# Altium PCB 霍尔小板拼版.PcbDoc (part 3 of 3)
Units mm, origin at the board's own origin, x right, y up, seen from the top; angles counter-clockwise.
Board outline 100.88 x 92.97 mm, 2 copper layers (Top Layer, Bottom Layer); 204 components, 39 nets, 616 pads, 200 vias.
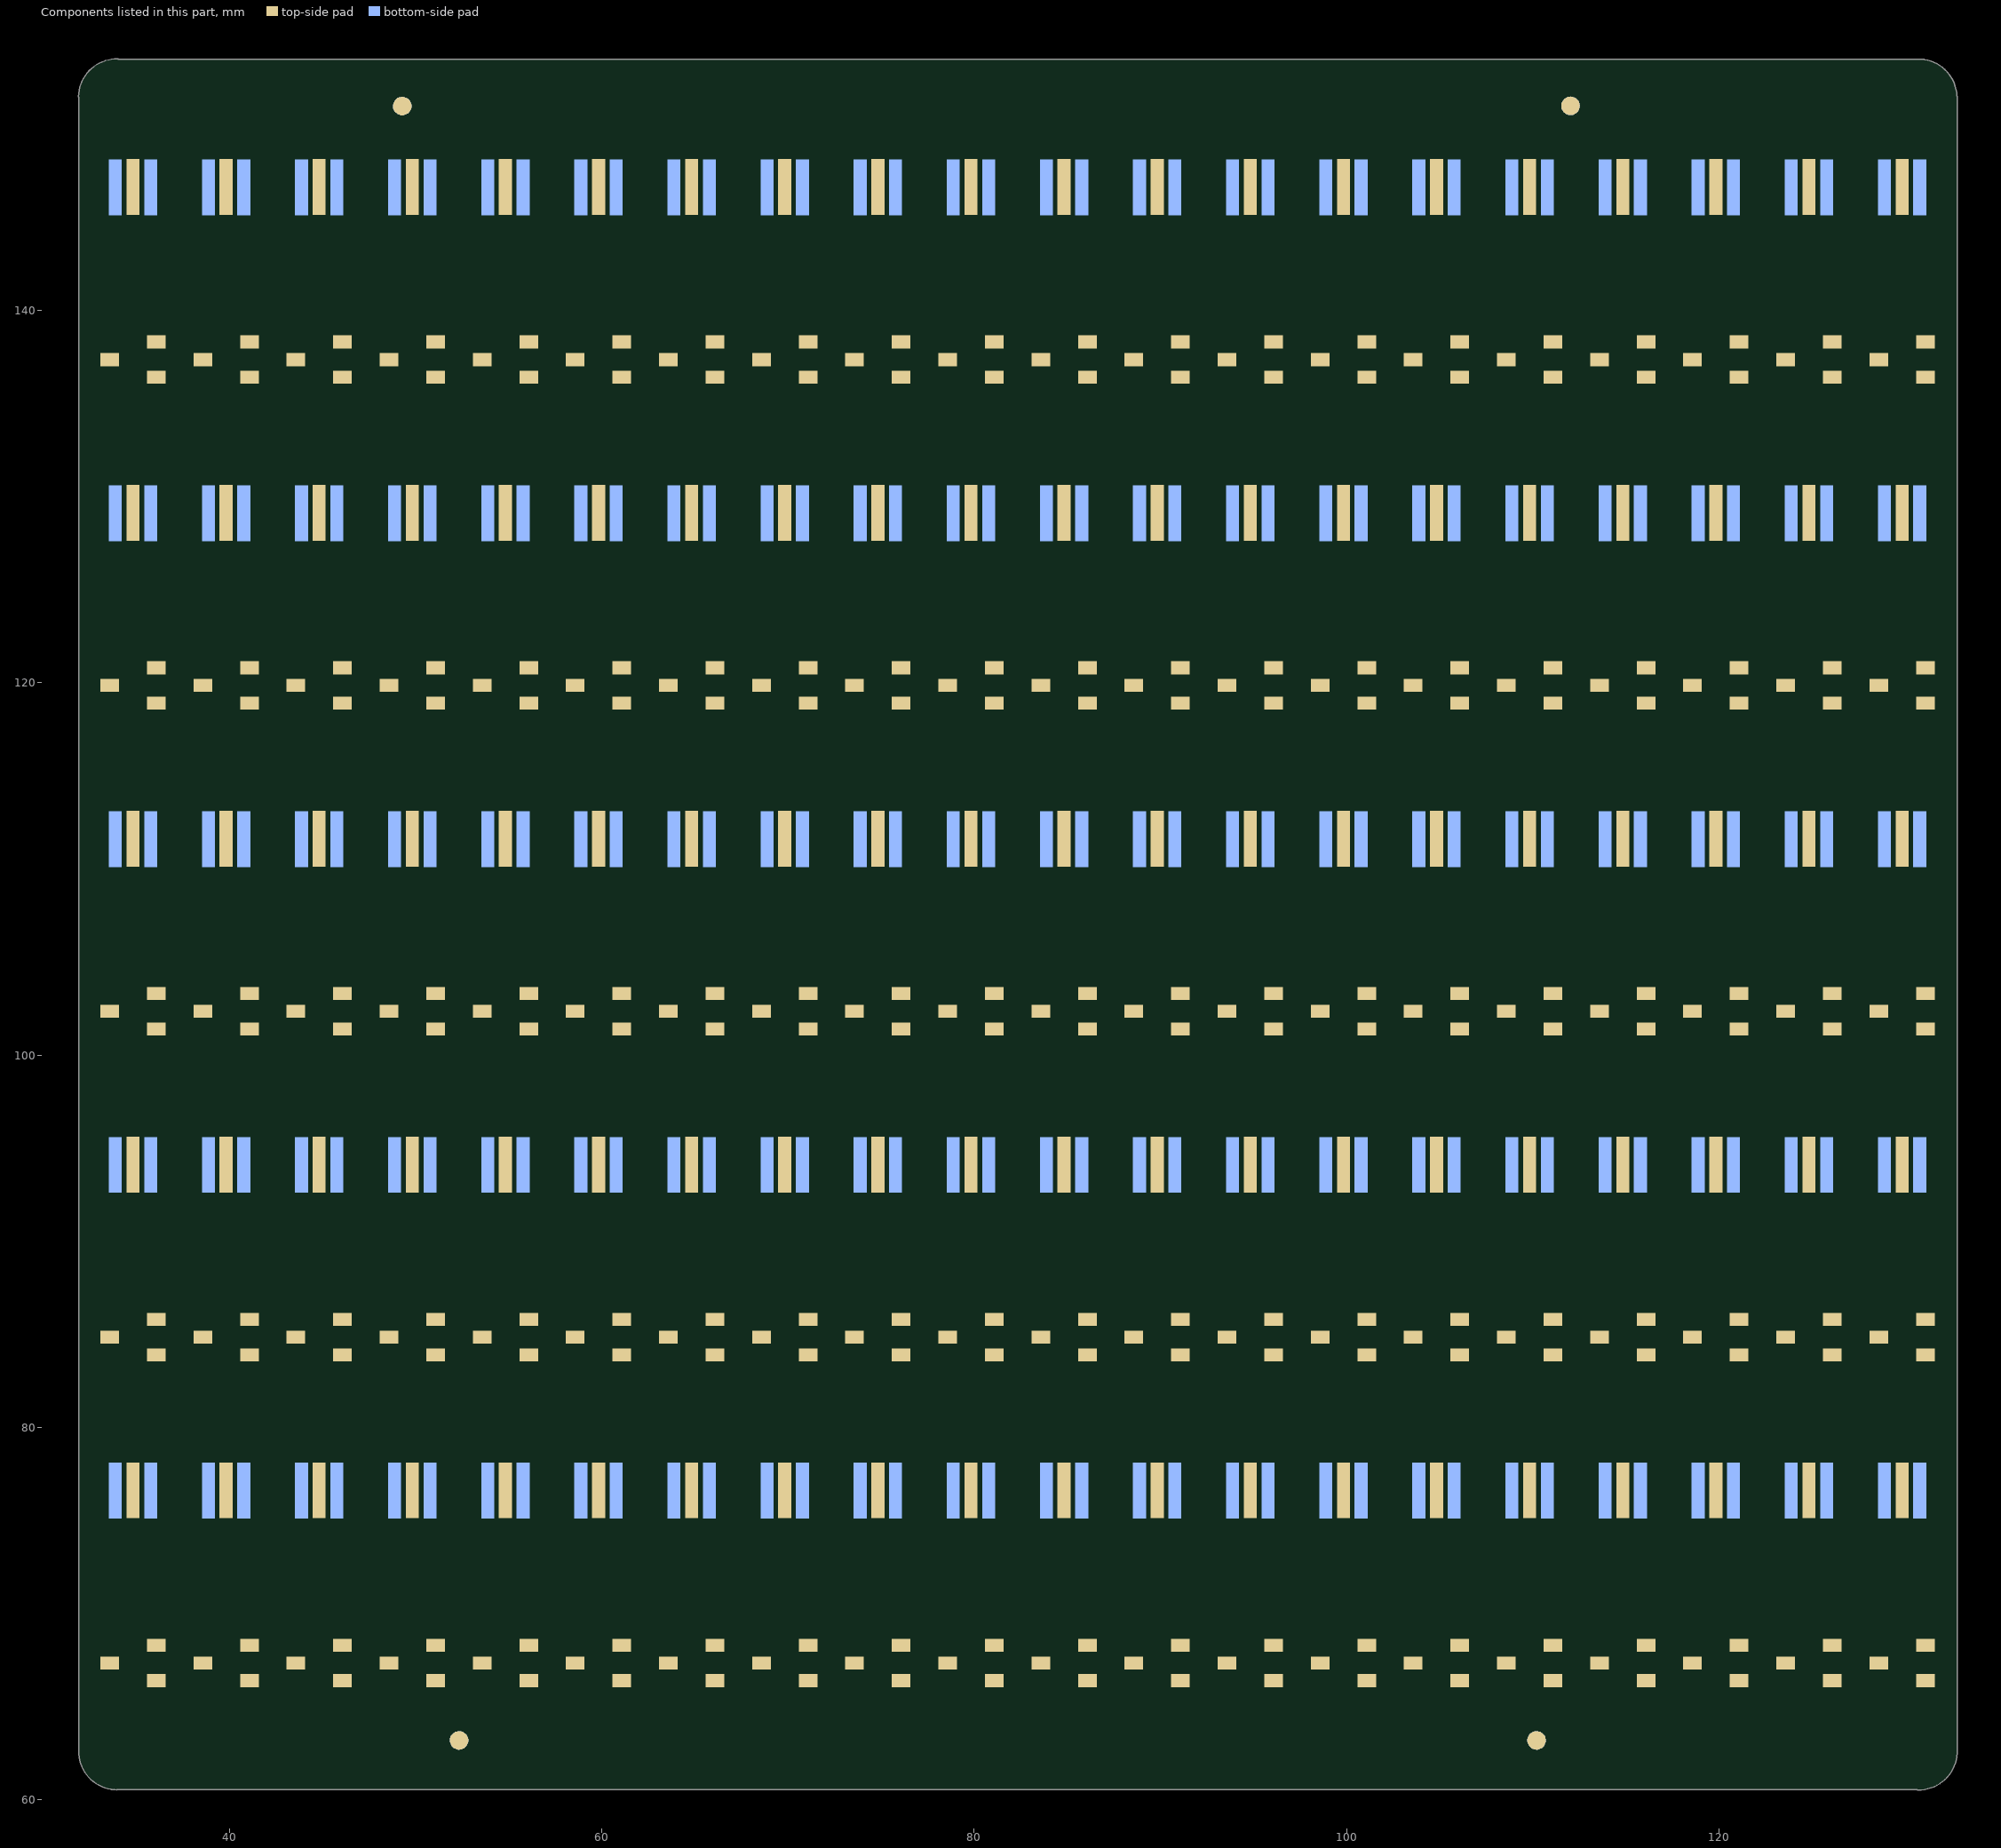
[diagram p3: the components of this part, seen from the top]

## Keep-outs
Keep-Out Layer:
  lines w0.127: 32.896,74.259 32.896,65.7 36.782,65.7 36.782,74.259 36.299,74.259 36.299,78.146 33.353,78.146 ; 32.896,91.759 32.896,83.2 36.782,83.2 36.782,91.759 36.299,91.759 36.299,95.646 33.353,95.646 ; 32.896,109.259 32.896,100.7 36.782,100.7 36.782,109.259 36.299,109.259 36.299,113.146 33.353,113.146 ; 32.896,126.759 32.896,118.2 36.782,118.2 36.782,126.759 36.299,126.759 36.299,130.646 33.353,130.646 ; 32.896,144.259 32.896,135.7 36.782,135.7 36.782,144.259 36.299,144.259 36.299,148.146 33.353,148.146 ; 32.946,74.259 33.353,74.259 33.353,78.12 ; 32.946,91.759 33.353,91.759 33.353,95.62 ; 32.946,109.259 33.353,109.259 33.353,113.12 ; 32.946,126.759 33.353,126.759 33.353,130.62 ; 32.946,144.259 33.353,144.259 33.353,148.12 ; 37.896,74.259 37.896,65.7 41.782,65.7 41.782,74.259 41.299,74.259 41.299,78.146 38.353,78.146 ; 37.896,91.759 37.896,83.2 41.782,83.2 41.782,91.759 41.299,91.759 41.299,95.646 38.353,95.646 ; 37.896,109.259 37.896,100.7 41.782,100.7 41.782,109.259 41.299,109.259 41.299,113.146 38.353,113.146 ; 37.896,126.759 37.896,118.2 41.782,118.2 41.782,126.759 41.299,126.759 41.299,130.646 38.353,130.646 ; 37.896,144.259 37.896,135.7 41.782,135.7 41.782,144.259 41.299,144.259 41.299,148.146 38.353,148.146 ; 37.946,74.259 38.353,74.259 38.353,78.12 ; 37.946,91.759 38.353,91.759 38.353,95.62 ; 37.946,109.259 38.353,109.259 38.353,113.12 ; 37.946,126.759 38.353,126.759 38.353,130.62 ; 37.946,144.259 38.353,144.259 38.353,148.12 ; 42.896,74.259 42.896,65.7 46.782,65.7 46.782,74.259 46.299,74.259 46.299,78.146 43.353,78.146 ; 42.896,91.759 42.896,83.2 46.782,83.2 46.782,91.759 46.299,91.759 46.299,95.646 43.353,95.646 ; 42.896,109.259 42.896,100.7 46.782,100.7 46.782,109.259 46.299,109.259 46.299,113.146 43.353,113.146 ; 42.896,126.759 42.896,118.2 46.782,118.2 46.782,126.759 46.299,126.759 46.299,130.646 43.353,130.646 ; 42.896,144.259 42.896,135.7 46.782,135.7 46.782,144.259 46.299,144.259 46.299,148.146 43.353,148.146 ; 42.946,74.259 43.353,74.259 43.353,78.12 ; 42.946,91.759 43.353,91.759 43.353,95.62 ; 42.946,109.259 43.353,109.259 43.353,113.12 ; 42.946,126.759 43.353,126.759 43.353,130.62 ; 42.946,144.259 43.353,144.259 43.353,148.12 ; 47.896,74.259 47.896,65.7 51.782,65.7 51.782,74.259 51.299,74.259 51.299,78.146 48.353,78.146 ; 47.896,91.759 47.896,83.2 51.782,83.2 51.782,91.759 51.299,91.759 51.299,95.646 48.353,95.646 ; 47.896,109.259 47.896,100.7 51.782,100.7 51.782,109.259 51.299,109.259 51.299,113.146 48.353,113.146 ; 47.896,126.759 47.896,118.2 51.782,118.2 51.782,126.759 51.299,126.759 51.299,130.646 48.353,130.646 ; 47.896,144.259 47.896,135.7 51.782,135.7 51.782,144.259 51.299,144.259 51.299,148.146 48.353,148.146 ; 47.946,74.259 48.353,74.259 48.353,78.12 ; 47.946,91.759 48.353,91.759 48.353,95.62 ; 47.946,109.259 48.353,109.259 48.353,113.12 ; 47.946,126.759 48.353,126.759 48.353,130.62 ; 47.946,144.259 48.353,144.259 48.353,148.12 ; 52.896,74.259 52.896,65.7 56.782,65.7 56.782,74.259 56.299,74.259 56.299,78.146 53.353,78.146 ; 52.896,91.759 52.896,83.2 56.782,83.2 56.782,91.759 56.299,91.759 56.299,95.646 53.353,95.646 ; 52.896,109.259 52.896,100.7 56.782,100.7 56.782,109.259 56.299,109.259 56.299,113.146 53.353,113.146 ; 52.896,126.759 52.896,118.2 56.782,118.2 56.782,126.759 56.299,126.759 56.299,130.646 53.353,130.646 ; 52.896,144.259 52.896,135.7 56.782,135.7 56.782,144.259 56.299,144.259 56.299,148.146 53.353,148.146 ; 52.946,74.259 53.353,74.259 53.353,78.12 ; 52.946,91.759 53.353,91.759 53.353,95.62 ; 52.946,109.259 53.353,109.259 53.353,113.12 ; 52.946,126.759 53.353,126.759 53.353,130.62 ; 52.946,144.259 53.353,144.259 53.353,148.12 ; 57.896,74.259 57.896,65.7 61.782,65.7 61.782,74.259 61.299,74.259 61.299,78.146 58.353,78.146 ; 57.896,91.759 57.896,83.2 61.782,83.2 61.782,91.759 61.299,91.759 61.299,95.646 58.353,95.646 ; 57.896,109.259 57.896,100.7 61.782,100.7 61.782,109.259 61.299,109.259 61.299,113.146 58.353,113.146 ; 57.896,126.759 57.896,118.2 61.782,118.2 61.782,126.759 61.299,126.759 61.299,130.646 58.353,130.646 ; 57.896,144.259 57.896,135.7 61.782,135.7 61.782,144.259 61.299,144.259 61.299,148.146 58.353,148.146 ; 57.946,74.259 58.353,74.259 58.353,78.12 ; 57.946,91.759 58.353,91.759 58.353,95.62 ; 57.946,109.259 58.353,109.259 58.353,113.12 ; 57.946,126.759 58.353,126.759 58.353,130.62 ; 57.946,144.259 58.353,144.259 58.353,148.12 ; 62.896,74.259 62.896,65.7 66.782,65.7 66.782,74.259 66.299,74.259 66.299,78.146 63.353,78.146 ; 62.896,91.759 62.896,83.2 66.782,83.2 66.782,91.759 66.299,91.759 66.299,95.646 63.353,95.646 ; 62.896,109.259 62.896,100.7 66.782,100.7 66.782,109.259 66.299,109.259 66.299,113.146 63.353,113.146 ; 62.896,126.759 62.896,118.2 66.782,118.2 66.782,126.759 66.299,126.759 66.299,130.646 63.353,130.646 ; 62.896,144.259 62.896,135.7 66.782,135.7 66.782,144.259 66.299,144.259 66.299,148.146 63.353,148.146 ; 62.946,74.259 63.353,74.259 63.353,78.12 ; 62.946,91.759 63.353,91.759 63.353,95.62 ; 62.946,109.259 63.353,109.259 63.353,113.12 ; 62.946,126.759 63.353,126.759 63.353,130.62 ; 62.946,144.259 63.353,144.259 63.353,148.12 ; 67.896,74.259 67.896,65.7 71.782,65.7 71.782,74.259 71.299,74.259 71.299,78.146 68.353,78.146 ; 67.896,91.759 67.896,83.2 71.782,83.2 71.782,91.759 71.299,91.759 71.299,95.646 68.353,95.646 ; 67.896,109.259 67.896,100.7 71.782,100.7 71.782,109.259 71.299,109.259 71.299,113.146 68.353,113.146 ; 67.896,126.759 67.896,118.2 71.782,118.2 71.782,126.759 71.299,126.759 71.299,130.646 68.353,130.646 ; 67.896,144.259 67.896,135.7 71.782,135.7 71.782,144.259 71.299,144.259 71.299,148.146 68.353,148.146 ; 67.946,74.259 68.353,74.259 68.353,78.12 ; 67.946,91.759 68.353,91.759 68.353,95.62 ; 67.946,109.259 68.353,109.259 68.353,113.12 ; 67.946,126.759 68.353,126.759 68.353,130.62 ; 67.946,144.259 68.353,144.259 68.353,148.12 ; 72.896,74.259 72.896,65.7 76.782,65.7 76.782,74.259 76.299,74.259 76.299,78.146 73.353,78.146 ; 72.896,91.759 72.896,83.2 76.782,83.2 76.782,91.759 76.299,91.759 76.299,95.646 73.353,95.646 ; 72.896,109.259 72.896,100.7 76.782,100.7 76.782,109.259 76.299,109.259 76.299,113.146 73.353,113.146 ; 72.896,126.759 72.896,118.2 76.782,118.2 76.782,126.759 76.299,126.759 76.299,130.646 73.353,130.646 ; 72.896,144.259 72.896,135.7 76.782,135.7 76.782,144.259 76.299,144.259 76.299,148.146 73.353,148.146 ; 72.946,74.259 73.353,74.259 73.353,78.12 ; 72.946,91.759 73.353,91.759 73.353,95.62 ; 72.946,109.259 73.353,109.259 73.353,113.12 ; 72.946,126.759 73.353,126.759 73.353,130.62 ; 72.946,144.259 73.353,144.259 73.353,148.12 ; 77.896,74.259 77.896,65.7 81.782,65.7 81.782,74.259 81.299,74.259 81.299,78.146 78.353,78.146 ; 77.896,91.759 77.896,83.2 81.782,83.2 81.782,91.759 81.299,91.759 81.299,95.646 78.353,95.646 ; 77.896,109.259 77.896,100.7 81.782,100.7 81.782,109.259 81.299,109.259 81.299,113.146 78.353,113.146 ; 77.896,126.759 77.896,118.2 81.782,118.2 81.782,126.759 81.299,126.759 81.299,130.646 78.353,130.646 ; 77.896,144.259 77.896,135.7 81.782,135.7 81.782,144.259 81.299,144.259 81.299,148.146 78.353,148.146 ; 77.946,74.259 78.353,74.259 78.353,78.12 ; 77.946,91.759 78.353,91.759 78.353,95.62 ; 77.946,109.259 78.353,109.259 78.353,113.12 ; 77.946,126.759 78.353,126.759 78.353,130.62 ; 77.946,144.259 78.353,144.259 78.353,148.12 ; 82.896,74.259 82.896,65.7 86.782,65.7 86.782,74.259 86.299,74.259 86.299,78.146 83.353,78.146 ; 82.896,91.759 82.896,83.2 86.782,83.2 86.782,91.759 86.299,91.759 86.299,95.646 83.353,95.646 ; 82.896,109.259 82.896,100.7 86.782,100.7 86.782,109.259 86.299,109.259 86.299,113.146 83.353,113.146 ; 82.896,126.759 82.896,118.2 86.782,118.2 86.782,126.759 86.299,126.759 86.299,130.646 83.353,130.646 ; 82.896,144.259 82.896,135.7 86.782,135.7 86.782,144.259 86.299,144.259 86.299,148.146 83.353,148.146 ; 82.946,74.259 83.353,74.259 83.353,78.12 ; 82.946,91.759 83.353,91.759 83.353,95.62 ; 82.946,109.259 83.353,109.259 83.353,113.12 ; 82.946,126.759 83.353,126.759 83.353,130.62 ; 82.946,144.259 83.353,144.259 83.353,148.12 ; 87.896,74.259 87.896,65.7 91.782,65.7 91.782,74.259 91.299,74.259 91.299,78.146 88.353,78.146 ; 87.896,91.759 87.896,83.2 91.782,83.2 91.782,91.759 91.299,91.759 91.299,95.646 88.353,95.646 ; 87.896,109.259 87.896,100.7 91.782,100.7 91.782,109.259 91.299,109.259 91.299,113.146 88.353,113.146 ; 87.896,126.759 87.896,118.2 91.782,118.2 91.782,126.759 91.299,126.759 91.299,130.646 88.353,130.646 ; 87.896,144.259 87.896,135.7 91.782,135.7 91.782,144.259 91.299,144.259 91.299,148.146 88.353,148.146 ; 87.946,74.259 88.353,74.259 88.353,78.12 ; 87.946,91.759 88.353,91.759 88.353,95.62 ; 87.946,109.259 88.353,109.259 88.353,113.12 ; 87.946,126.759 88.353,126.759 88.353,130.62 ; 87.946,144.259 88.353,144.259 88.353,148.12 ; 92.896,74.259 92.896,65.7 96.782,65.7 96.782,74.259 96.299,74.259 96.299,78.146 93.353,78.146 ; 92.896,91.759 92.896,83.2 96.782,83.2 96.782,91.759 96.299,91.759 96.299,95.646 93.353,95.646 ; 92.896,109.259 92.896,100.7 96.782,100.7 96.782,109.259 96.299,109.259 96.299,113.146 93.353,113.146 ; 92.896,126.759 92.896,118.2 96.782,118.2 96.782,126.759 96.299,126.759 96.299,130.646 93.353,130.646 ; 92.896,144.259 92.896,135.7 96.782,135.7 96.782,144.259 96.299,144.259 96.299,148.146 93.353,148.146 ; 92.946,74.259 93.353,74.259 93.353,78.12 ; 92.946,91.759 93.353,91.759 93.353,95.62 ; 92.946,109.259 93.353,109.259 93.353,113.12 ; 92.946,126.759 93.353,126.759 93.353,130.62 ; 92.946,144.259 93.353,144.259 93.353,148.12 ; 97.896,74.259 97.896,65.7 101.782,65.7 101.782,74.259 101.299,74.259 101.299,78.146 98.353,78.146 ; 97.896,91.759 97.896,83.2 101.782,83.2 101.782,91.759 101.299,91.759 101.299,95.646 98.353,95.646 ; 97.896,109.259 97.896,100.7 101.782,100.7 101.782,109.259 101.299,109.259 101.299,113.146 98.353,113.146 ; 97.896,126.759 97.896,118.2 101.782,118.2 101.782,126.759 101.299,126.759 101.299,130.646 98.353,130.646 ; 97.896,144.259 97.896,135.7 101.782,135.7 101.782,144.259 101.299,144.259 101.299,148.146 98.353,148.146 ; 97.946,74.259 98.353,74.259 98.353,78.12 ; 97.946,91.759 98.353,91.759 98.353,95.62 ; 97.946,109.259 98.353,109.259 98.353,113.12 ; 97.946,126.759 98.353,126.759 98.353,130.62 ; 97.946,144.259 98.353,144.259 98.353,148.12 ; 102.896,74.259 102.896,65.7 106.782,65.7 106.782,74.259 106.299,74.259 106.299,78.146 103.353,78.146 ; 102.896,91.759 102.896,83.2 106.782,83.2 106.782,91.759 106.299,91.759 106.299,95.646 103.353,95.646 ; 102.896,109.259 102.896,100.7 106.782,100.7 106.782,109.259 106.299,109.259 106.299,113.146 103.353,113.146 ; 102.896,126.759 102.896,118.2 106.782,118.2 106.782,126.759 106.299,126.759 106.299,130.646 103.353,130.646 ; 102.896,144.259 102.896,135.7 106.782,135.7 106.782,144.259 106.299,144.259 106.299,148.146 103.353,148.146 ; 102.946,74.259 103.353,74.259 103.353,78.12 ; 102.946,91.759 103.353,91.759 103.353,95.62 ; 102.946,109.259 103.353,109.259 103.353,113.12 ; 102.946,126.759 103.353,126.759 103.353,130.62 ; 102.946,144.259 103.353,144.259 103.353,148.12 ; 107.896,74.259 107.896,65.7 111.782,65.7 111.782,74.259 111.299,74.259 111.299,78.146 108.353,78.146 ; 107.896,91.759 107.896,83.2 111.782,83.2 111.782,91.759 111.299,91.759 111.299,95.646 108.353,95.646 ; 107.896,109.259 107.896,100.7 111.782,100.7 111.782,109.259 111.299,109.259 111.299,113.146 108.353,113.146 ; 107.896,126.759 107.896,118.2 111.782,118.2 111.782,126.759 111.299,126.759 111.299,130.646 108.353,130.646 ; 107.896,144.259 107.896,135.7 111.782,135.7 111.782,144.259 111.299,144.259 111.299,148.146 108.353,148.146 ; 107.946,74.259 108.353,74.259 108.353,78.12 ; 107.946,91.759 108.353,91.759 108.353,95.62 ; 107.946,109.259 108.353,109.259 108.353,113.12 ; 107.946,126.759 108.353,126.759 108.353,130.62 ; 107.946,144.259 108.353,144.259 108.353,148.12 ; 112.896,74.259 112.896,65.7 116.782,65.7 116.782,74.259 116.299,74.259 116.299,78.146 113.353,78.146 ; 112.896,91.759 112.896,83.2 116.782,83.2 116.782,91.759 116.299,91.759 116.299,95.646 113.353,95.646 ; 112.896,109.259 112.896,100.7 116.782,100.7 116.782,109.259 116.299,109.259 116.299,113.146 113.353,113.146 ; 112.896,126.759 112.896,118.2 116.782,118.2 116.782,126.759 116.299,126.759 116.299,130.646 113.353,130.646 ; 112.896,144.259 112.896,135.7 116.782,135.7 116.782,144.259 116.299,144.259 116.299,148.146 113.353,148.146 ; 112.946,74.259 113.353,74.259 113.353,78.12 ; 112.946,91.759 113.353,91.759 113.353,95.62 ; 112.946,109.259 113.353,109.259 113.353,113.12 ; 112.946,126.759 113.353,126.759 113.353,130.62 ; 112.946,144.259 113.353,144.259 113.353,148.12 ; 117.896,74.259 117.896,65.7 121.782,65.7 121.782,74.259 121.299,74.259 121.299,78.146 118.353,78.146 ; 117.896,91.759 117.896,83.2 121.782,83.2 121.782,91.759 121.299,91.759 121.299,95.646 118.353,95.646 ; 117.896,109.259 117.896,100.7 121.782,100.7 121.782,109.259 121.299,109.259 121.299,113.146 118.353,113.146 ; 117.896,126.759 117.896,118.2 121.782,118.2 121.782,126.759 121.299,126.759 121.299,130.646 118.353,130.646 ; 117.896,144.259 117.896,135.7 121.782,135.7 121.782,144.259 121.299,144.259 121.299,148.146 118.353,148.146 ; 117.946,74.259 118.353,74.259 118.353,78.12 ; 117.946,91.759 118.353,91.759 118.353,95.62 ; 117.946,109.259 118.353,109.259 118.353,113.12 ; 117.946,126.759 118.353,126.759 118.353,130.62 ; 117.946,144.259 118.353,144.259 118.353,148.12 ; 122.896,74.259 122.896,65.7 126.782,65.7 126.782,74.259 126.299,74.259 126.299,78.146 123.353,78.146 ; 122.896,91.759 122.896,83.2 126.782,83.2 126.782,91.759 126.299,91.759 126.299,95.646 123.353,95.646 ; 122.896,109.259 122.896,100.7 126.782,100.7 126.782,109.259 126.299,109.259 126.299,113.146 123.353,113.146 ; 122.896,126.759 122.896,118.2 126.782,118.2 126.782,126.759 126.299,126.759 126.299,130.646 123.353,130.646 ; 122.896,144.259 122.896,135.7 126.782,135.7 126.782,144.259 126.299,144.259 126.299,148.146 123.353,148.146 ; 122.946,74.259 123.353,74.259 123.353,78.12 ; 122.946,91.759 123.353,91.759 123.353,95.62 ; 122.946,109.259 123.353,109.259 123.353,113.12 ; 122.946,126.759 123.353,126.759 123.353,130.62 ; 122.946,144.259 123.353,144.259 123.353,148.12 ; 127.896,74.259 127.896,65.7 131.782,65.7 131.782,74.259 131.299,74.259 131.299,78.146 128.353,78.146 ; 127.896,91.759 127.896,83.2 131.782,83.2 131.782,91.759 131.299,91.759 131.299,95.646 128.353,95.646 ; 127.896,109.259 127.896,100.7 131.782,100.7 131.782,109.259 131.299,109.259 131.299,113.146 128.353,113.146 ; 127.896,126.759 127.896,118.2 131.782,118.2 131.782,126.759 131.299,126.759 131.299,130.646 128.353,130.646 ; 127.896,144.259 127.896,135.7 131.782,135.7 131.782,144.259 131.299,144.259 131.299,148.146 128.353,148.146 ; 127.946,74.259 128.353,74.259 128.353,78.12 ; 127.946,91.759 128.353,91.759 128.353,95.62 ; 127.946,109.259 128.353,109.259 128.353,113.12 ; 127.946,126.759 128.353,126.759 128.353,130.62 ; 127.946,144.259 128.353,144.259 128.353,148.12

## Other copper
Top Layer:
  rectangle: 32.164,131.771 132.207,134.814
  rectangle: 32.164,114.271 132.207,117.314
  rectangle: 32.164,96.771 132.207,99.814
  rectangle: 32.164,79.271 132.207,82.314
Bottom Layer:
  rectangle: 32.126,131.791 132.169,134.834
  rectangle: 32.126,114.291 132.169,117.334
  rectangle: 32.126,96.791 132.169,99.834
  rectangle: 32.126,79.291 132.169,82.334

## Silkscreen, mask and mechanical layers (free items; w line width, h text height)
Top Overlay:
  text "PS:随风飘跃Apr.18Y" at 33.531,144.818 h0.7 r270
  text "PS:随风飘跃Apr.18Y" at 38.531,144.818 h0.7 r270
  text "PS:随风飘跃Apr.18Y" at 43.531,144.818 h0.7 r270
  text "PS:随风飘跃Apr.18Y" at 48.531,144.818 h0.7 r270
  text "PS:随风飘跃Apr.18Y" at 53.531,144.818 h0.7 r270
  text "PS:随风飘跃Apr.18Y" at 58.531,144.818 h0.7 r270
  text "PS:随风飘跃Apr.18Y" at 63.531,144.818 h0.7 r270
  text "PS:随风飘跃Apr.18Y" at 68.531,144.818 h0.7 r270
  text "PS:随风飘跃Apr.18Y" at 73.531,144.818 h0.7 r270
  text "PS:随风飘跃Apr.18Y" at 78.531,144.818 h0.7 r270
  text "PS:随风飘跃Apr.18Y" at 83.531,144.818 h0.7 r270
  text "PS:随风飘跃Apr.18Y" at 88.531,144.818 h0.7 r270
  text "PS:随风飘跃Apr.18Y" at 93.531,144.818 h0.7 r270
  text "PS:随风飘跃Apr.18Y" at 98.531,144.818 h0.7 r270
  text "PS:随风飘跃Apr.18Y" at 103.531,144.818 h0.7 r270
  text "PS:随风飘跃Apr.18Y" at 108.531,144.818 h0.7 r270
  text "PS:随风飘跃Apr.18Y" at 113.531,144.818 h0.7 r270
  text "PS:随风飘跃Apr.18Y" at 118.531,144.818 h0.7 r270
  text "PS:随风飘跃Apr.18Y" at 123.531,144.818 h0.7 r270
  text "PS:随风飘跃Apr.18Y" at 128.531,144.818 h0.7 r270
  text "NB-IOT霍尔V1.1" at 35.486,144.717 h0.8 r270
  text "NB-IOT霍尔V1.1" at 40.486,144.717 h0.8 r270
  text "NB-IOT霍尔V1.1" at 45.486,144.717 h0.8 r270
  text "NB-IOT霍尔V1.1" at 50.486,144.717 h0.8 r270
  text "NB-IOT霍尔V1.1" at 55.486,144.717 h0.8 r270
  text "NB-IOT霍尔V1.1" at 60.486,144.717 h0.8 r270
  text "NB-IOT霍尔V1.1" at 65.486,144.717 h0.8 r270
  text "NB-IOT霍尔V1.1" at 70.486,144.717 h0.8 r270
  text "NB-IOT霍尔V1.1" at 75.486,144.717 h0.8 r270
  text "NB-IOT霍尔V1.1" at 80.486,144.717 h0.8 r270
  text "NB-IOT霍尔V1.1" at 85.486,144.717 h0.8 r270
  text "NB-IOT霍尔V1.1" at 90.486,144.717 h0.8 r270
  text "NB-IOT霍尔V1.1" at 95.486,144.717 h0.8 r270
  text "NB-IOT霍尔V1.1" at 100.486,144.717 h0.8 r270
  text "NB-IOT霍尔V1.1" at 105.486,144.717 h0.8 r270
  text "NB-IOT霍尔V1.1" at 110.486,144.717 h0.8 r270
  text "NB-IOT霍尔V1.1" at 115.486,144.717 h0.8 r270
  text "NB-IOT霍尔V1.1" at 120.486,144.717 h0.8 r270
  text "NB-IOT霍尔V1.1" at 125.486,144.717 h0.8 r270
  text "NB-IOT霍尔V1.1" at 130.486,144.717 h0.8 r270
  text "PS:随风飘跃Apr.18Y" at 33.531,127.318 h0.7 r270
  text "PS:随风飘跃Apr.18Y" at 38.531,127.318 h0.7 r270
  text "PS:随风飘跃Apr.18Y" at 43.531,127.318 h0.7 r270
  text "PS:随风飘跃Apr.18Y" at 48.531,127.318 h0.7 r270
  text "PS:随风飘跃Apr.18Y" at 53.531,127.318 h0.7 r270
  text "PS:随风飘跃Apr.18Y" at 58.531,127.318 h0.7 r270
  text "PS:随风飘跃Apr.18Y" at 63.531,127.318 h0.7 r270
  text "PS:随风飘跃Apr.18Y" at 68.531,127.318 h0.7 r270
  text "PS:随风飘跃Apr.18Y" at 73.531,127.318 h0.7 r270
  text "PS:随风飘跃Apr.18Y" at 78.531,127.318 h0.7 r270
  text "PS:随风飘跃Apr.18Y" at 83.531,127.318 h0.7 r270
  text "PS:随风飘跃Apr.18Y" at 88.531,127.318 h0.7 r270
  text "PS:随风飘跃Apr.18Y" at 93.531,127.318 h0.7 r270
  text "PS:随风飘跃Apr.18Y" at 98.531,127.318 h0.7 r270
  text "PS:随风飘跃Apr.18Y" at 103.531,127.318 h0.7 r270
  text "PS:随风飘跃Apr.18Y" at 108.531,127.318 h0.7 r270
  text "PS:随风飘跃Apr.18Y" at 113.531,127.318 h0.7 r270
  text "PS:随风飘跃Apr.18Y" at 118.531,127.318 h0.7 r270
  text "PS:随风飘跃Apr.18Y" at 123.531,127.318 h0.7 r270
  text "PS:随风飘跃Apr.18Y" at 128.531,127.318 h0.7 r270
  text "NB-IOT霍尔V1.1" at 35.486,127.217 h0.8 r270
  text "NB-IOT霍尔V1.1" at 40.486,127.217 h0.8 r270
  text "NB-IOT霍尔V1.1" at 45.486,127.217 h0.8 r270
  text "NB-IOT霍尔V1.1" at 50.486,127.217 h0.8 r270
  text "NB-IOT霍尔V1.1" at 55.486,127.217 h0.8 r270
  text "NB-IOT霍尔V1.1" at 60.486,127.217 h0.8 r270
  text "NB-IOT霍尔V1.1" at 65.486,127.217 h0.8 r270
  text "NB-IOT霍尔V1.1" at 70.486,127.217 h0.8 r270
  text "NB-IOT霍尔V1.1" at 75.486,127.217 h0.8 r270
  text "NB-IOT霍尔V1.1" at 80.486,127.217 h0.8 r270
  text "NB-IOT霍尔V1.1" at 85.486,127.217 h0.8 r270
  text "NB-IOT霍尔V1.1" at 90.486,127.217 h0.8 r270
  text "NB-IOT霍尔V1.1" at 95.486,127.217 h0.8 r270
  text "NB-IOT霍尔V1.1" at 100.486,127.217 h0.8 r270
  text "NB-IOT霍尔V1.1" at 105.486,127.217 h0.8 r270
  text "NB-IOT霍尔V1.1" at 110.486,127.217 h0.8 r270
  text "NB-IOT霍尔V1.1" at 115.486,127.217 h0.8 r270
  text "NB-IOT霍尔V1.1" at 120.486,127.217 h0.8 r270
  text "NB-IOT霍尔V1.1" at 125.486,127.217 h0.8 r270
  text "NB-IOT霍尔V1.1" at 130.486,127.217 h0.8 r270
  text "PS:随风飘跃Apr.18Y" at 33.531,109.818 h0.7 r270
  text "PS:随风飘跃Apr.18Y" at 38.531,109.818 h0.7 r270
  text "PS:随风飘跃Apr.18Y" at 43.531,109.818 h0.7 r270
  text "PS:随风飘跃Apr.18Y" at 48.531,109.818 h0.7 r270
  text "PS:随风飘跃Apr.18Y" at 53.531,109.818 h0.7 r270
  text "PS:随风飘跃Apr.18Y" at 58.531,109.818 h0.7 r270
  text "PS:随风飘跃Apr.18Y" at 63.531,109.818 h0.7 r270
  text "PS:随风飘跃Apr.18Y" at 68.531,109.818 h0.7 r270
  text "PS:随风飘跃Apr.18Y" at 73.531,109.818 h0.7 r270
  text "PS:随风飘跃Apr.18Y" at 78.531,109.818 h0.7 r270
  text "PS:随风飘跃Apr.18Y" at 83.531,109.818 h0.7 r270
  text "PS:随风飘跃Apr.18Y" at 88.531,109.818 h0.7 r270
  text "PS:随风飘跃Apr.18Y" at 93.531,109.818 h0.7 r270
  text "PS:随风飘跃Apr.18Y" at 98.531,109.818 h0.7 r270
  text "PS:随风飘跃Apr.18Y" at 103.531,109.818 h0.7 r270
  text "PS:随风飘跃Apr.18Y" at 108.531,109.818 h0.7 r270
  text "PS:随风飘跃Apr.18Y" at 113.531,109.818 h0.7 r270
  text "PS:随风飘跃Apr.18Y" at 118.531,109.818 h0.7 r270
  text "PS:随风飘跃Apr.18Y" at 123.531,109.818 h0.7 r270
  text "PS:随风飘跃Apr.18Y" at 128.531,109.818 h0.7 r270
  text "NB-IOT霍尔V1.1" at 35.486,109.717 h0.8 r270
  text "NB-IOT霍尔V1.1" at 40.486,109.717 h0.8 r270
  text "NB-IOT霍尔V1.1" at 45.486,109.717 h0.8 r270
  text "NB-IOT霍尔V1.1" at 50.486,109.717 h0.8 r270
  text "NB-IOT霍尔V1.1" at 55.486,109.717 h0.8 r270
  text "NB-IOT霍尔V1.1" at 60.486,109.717 h0.8 r270
  text "NB-IOT霍尔V1.1" at 65.486,109.717 h0.8 r270
  text "NB-IOT霍尔V1.1" at 70.486,109.717 h0.8 r270
  text "NB-IOT霍尔V1.1" at 75.486,109.717 h0.8 r270
  text "NB-IOT霍尔V1.1" at 80.486,109.717 h0.8 r270
  text "NB-IOT霍尔V1.1" at 85.486,109.717 h0.8 r270
  text "NB-IOT霍尔V1.1" at 90.486,109.717 h0.8 r270
  text "NB-IOT霍尔V1.1" at 95.486,109.717 h0.8 r270
  text "NB-IOT霍尔V1.1" at 100.486,109.717 h0.8 r270
  text "NB-IOT霍尔V1.1" at 105.486,109.717 h0.8 r270
  text "NB-IOT霍尔V1.1" at 110.486,109.717 h0.8 r270
  text "NB-IOT霍尔V1.1" at 115.486,109.717 h0.8 r270
  text "NB-IOT霍尔V1.1" at 120.486,109.717 h0.8 r270
  text "NB-IOT霍尔V1.1" at 125.486,109.717 h0.8 r270
  text "NB-IOT霍尔V1.1" at 130.486,109.717 h0.8 r270
  text "PS:随风飘跃Apr.18Y" at 33.531,92.318 h0.7 r270
  text "PS:随风飘跃Apr.18Y" at 38.531,92.318 h0.7 r270
  text "PS:随风飘跃Apr.18Y" at 43.531,92.318 h0.7 r270
  text "PS:随风飘跃Apr.18Y" at 48.531,92.318 h0.7 r270
  text "PS:随风飘跃Apr.18Y" at 53.531,92.318 h0.7 r270
  text "PS:随风飘跃Apr.18Y" at 58.531,92.318 h0.7 r270
  text "PS:随风飘跃Apr.18Y" at 63.531,92.318 h0.7 r270
  text "PS:随风飘跃Apr.18Y" at 68.531,92.318 h0.7 r270
  text "PS:随风飘跃Apr.18Y" at 73.531,92.318 h0.7 r270
  text "PS:随风飘跃Apr.18Y" at 78.531,92.318 h0.7 r270
  text "PS:随风飘跃Apr.18Y" at 83.531,92.318 h0.7 r270
  text "PS:随风飘跃Apr.18Y" at 88.531,92.318 h0.7 r270
  text "PS:随风飘跃Apr.18Y" at 93.531,92.318 h0.7 r270
  text "PS:随风飘跃Apr.18Y" at 98.531,92.318 h0.7 r270
  text "PS:随风飘跃Apr.18Y" at 103.531,92.318 h0.7 r270
  text "PS:随风飘跃Apr.18Y" at 108.531,92.318 h0.7 r270
  text "PS:随风飘跃Apr.18Y" at 113.531,92.318 h0.7 r270
  text "PS:随风飘跃Apr.18Y" at 118.531,92.318 h0.7 r270
  text "PS:随风飘跃Apr.18Y" at 123.531,92.318 h0.7 r270
  text "PS:随风飘跃Apr.18Y" at 128.531,92.318 h0.7 r270
  text "NB-IOT霍尔V1.1" at 35.486,92.217 h0.8 r270
  text "NB-IOT霍尔V1.1" at 40.486,92.217 h0.8 r270
  text "NB-IOT霍尔V1.1" at 45.486,92.217 h0.8 r270
  text "NB-IOT霍尔V1.1" at 50.486,92.217 h0.8 r270
  text "NB-IOT霍尔V1.1" at 55.486,92.217 h0.8 r270
  text "NB-IOT霍尔V1.1" at 60.486,92.217 h0.8 r270
  text "NB-IOT霍尔V1.1" at 65.486,92.217 h0.8 r270
  text "NB-IOT霍尔V1.1" at 70.486,92.217 h0.8 r270
  text "NB-IOT霍尔V1.1" at 75.486,92.217 h0.8 r270
  text "NB-IOT霍尔V1.1" at 80.486,92.217 h0.8 r270
  text "NB-IOT霍尔V1.1" at 85.486,92.217 h0.8 r270
  text "NB-IOT霍尔V1.1" at 90.486,92.217 h0.8 r270
  text "NB-IOT霍尔V1.1" at 95.486,92.217 h0.8 r270
  text "NB-IOT霍尔V1.1" at 100.486,92.217 h0.8 r270
  text "NB-IOT霍尔V1.1" at 105.486,92.217 h0.8 r270
  text "NB-IOT霍尔V1.1" at 110.486,92.217 h0.8 r270
  text "NB-IOT霍尔V1.1" at 115.486,92.217 h0.8 r270
  text "NB-IOT霍尔V1.1" at 120.486,92.217 h0.8 r270
  text "NB-IOT霍尔V1.1" at 125.486,92.217 h0.8 r270
  text "NB-IOT霍尔V1.1" at 130.486,92.217 h0.8 r270
  text "PS:随风飘跃Apr.18Y" at 33.531,74.818 h0.7 r270
  text "PS:随风飘跃Apr.18Y" at 38.531,74.818 h0.7 r270
  text "PS:随风飘跃Apr.18Y" at 43.531,74.818 h0.7 r270
  text "PS:随风飘跃Apr.18Y" at 48.531,74.818 h0.7 r270
  text "PS:随风飘跃Apr.18Y" at 53.531,74.818 h0.7 r270
  text "PS:随风飘跃Apr.18Y" at 58.531,74.818 h0.7 r270
  text "PS:随风飘跃Apr.18Y" at 63.531,74.818 h0.7 r270
  text "PS:随风飘跃Apr.18Y" at 68.531,74.818 h0.7 r270
  text "PS:随风飘跃Apr.18Y" at 73.531,74.818 h0.7 r270
  text "PS:随风飘跃Apr.18Y" at 78.531,74.818 h0.7 r270
  text "PS:随风飘跃Apr.18Y" at 83.531,74.818 h0.7 r270
  text "PS:随风飘跃Apr.18Y" at 88.531,74.818 h0.7 r270
  text "PS:随风飘跃Apr.18Y" at 93.531,74.818 h0.7 r270
  text "PS:随风飘跃Apr.18Y" at 98.531,74.818 h0.7 r270
  text "PS:随风飘跃Apr.18Y" at 103.531,74.818 h0.7 r270
  text "PS:随风飘跃Apr.18Y" at 108.531,74.818 h0.7 r270
  text "PS:随风飘跃Apr.18Y" at 113.531,74.818 h0.7 r270
  text "PS:随风飘跃Apr.18Y" at 118.531,74.818 h0.7 r270
  text "PS:随风飘跃Apr.18Y" at 123.531,74.818 h0.7 r270
  text "PS:随风飘跃Apr.18Y" at 128.531,74.818 h0.7 r270
  text "NB-IOT霍尔V1.1" at 35.486,74.717 h0.8 r270
  text "NB-IOT霍尔V1.1" at 40.486,74.717 h0.8 r270
  text "NB-IOT霍尔V1.1" at 45.486,74.717 h0.8 r270
  text "NB-IOT霍尔V1.1" at 50.486,74.717 h0.8 r270
  text "NB-IOT霍尔V1.1" at 55.486,74.717 h0.8 r270
  text "NB-IOT霍尔V1.1" at 60.486,74.717 h0.8 r270
  text "NB-IOT霍尔V1.1" at 65.486,74.717 h0.8 r270
  text "NB-IOT霍尔V1.1" at 70.486,74.717 h0.8 r270
  text "NB-IOT霍尔V1.1" at 75.486,74.717 h0.8 r270
  text "NB-IOT霍尔V1.1" at 80.486,74.717 h0.8 r270
  text "NB-IOT霍尔V1.1" at 85.486,74.717 h0.8 r270
  text "NB-IOT霍尔V1.1" at 90.486,74.717 h0.8 r270
  text "NB-IOT霍尔V1.1" at 95.486,74.717 h0.8 r270
  text "NB-IOT霍尔V1.1" at 100.486,74.717 h0.8 r270
  text "NB-IOT霍尔V1.1" at 105.486,74.717 h0.8 r270
  text "NB-IOT霍尔V1.1" at 110.486,74.717 h0.8 r270
  text "NB-IOT霍尔V1.1" at 115.486,74.717 h0.8 r270
  text "NB-IOT霍尔V1.1" at 120.486,74.717 h0.8 r270
  text "NB-IOT霍尔V1.1" at 125.486,74.717 h0.8 r270
  text "NB-IOT霍尔V1.1" at 130.486,74.717 h0.8 r270
Mechanical 1:
  lines w0.127: 31.963,151.47 cw(c33.963,151.434) 33.999,153.434 ; 31.973,62.635 ccw(c33.973,62.599) 33.937,60.599 ; 31.979,62.492 31.979,151.483 ; 33.696,60.604 130.871,60.604 ; 33.81,153.421 130.985,153.421 ; 130.682,60.591 ccw(c130.718,62.591) 132.718,62.555 ; 130.744,153.426 cw(c130.708,151.426) 132.708,151.39 ; 132.72,62.525 132.72,151.473
Route Cutter Tool Layer:
  drawing of 1200 lines, arcs and shapes, not listed
  text "Route Cutter Tool Layer:铣开" at 34.955,52.347 h2
Mechanical 3:
  lines w0.381: 34.021,148.229 34.021,153.229 ; 130.338,60.679 130.338,65.679
  text "拼大版大小:10x5" at 34.023,49.34 h2.54
  text "X间距:5mm" at 34.221,46.098 h2.54
  text "Y间距:17.5mm" at 34.13,43.541 h2.54
FabNotes:
  lines w0.127: 31.999,65.697 132.662,65.697 ; 31.999,78.141 132.662,78.141 ; 31.999,83.197 132.662,83.197 ; 31.999,95.641 132.662,95.641 ; 31.999,100.697 132.662,100.697 ; 31.999,113.141 132.662,113.141 ; 31.999,118.197 132.662,118.197 ; 31.999,130.641 132.662,130.641 ; 31.999,135.697 132.662,135.697 ; 31.999,148.141 132.662,148.141
  text "FabNotes : V-CUT" at 34.902,54.521 h2